# KiCad board SuperBrick4.kicad_pcb (continued)
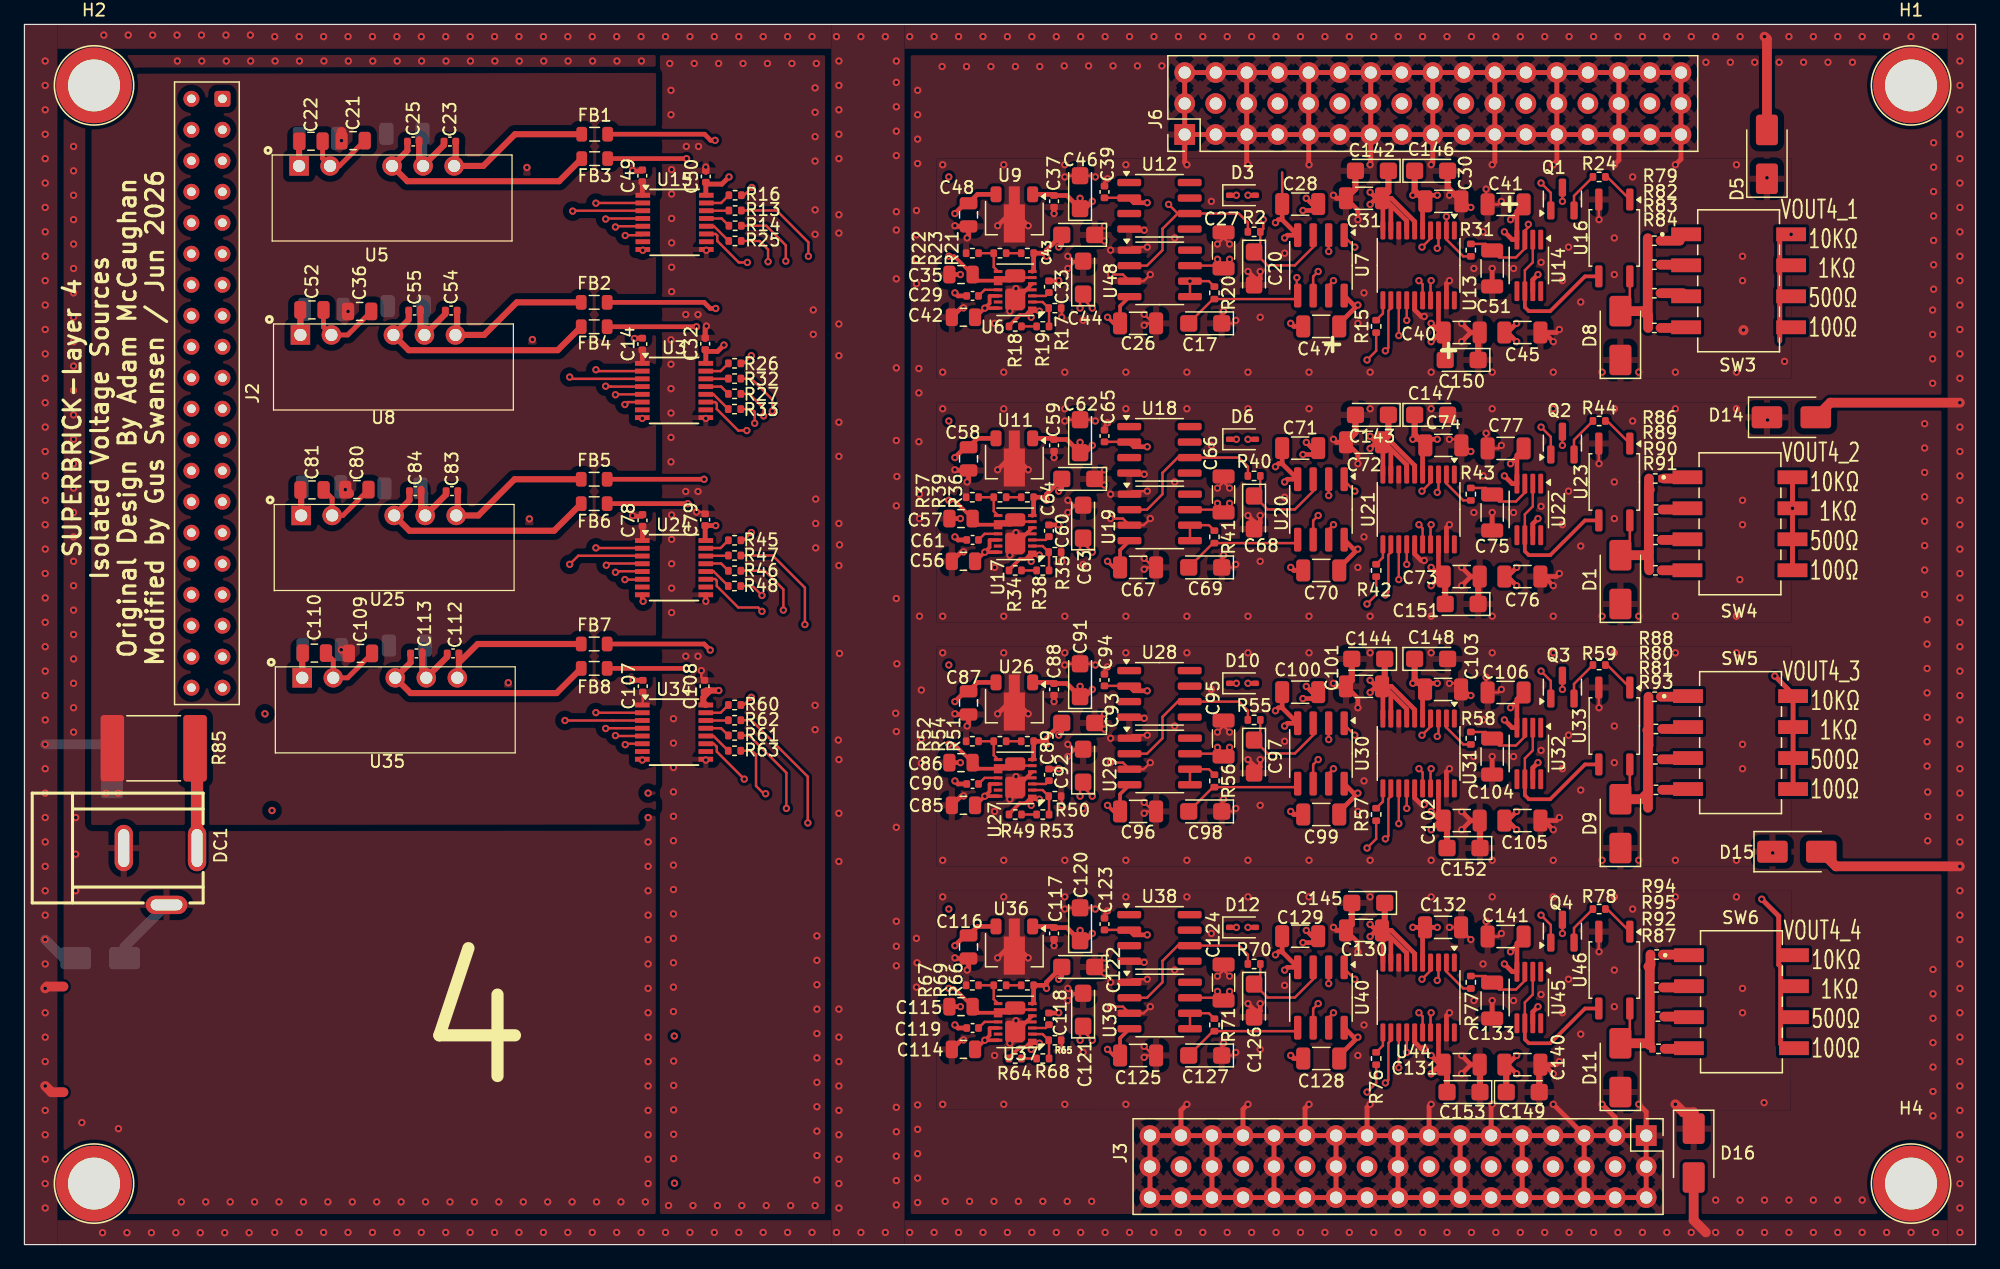
[diagram p0: board, top side]
## Routing (per net, layer and track width the routed paths; a pad name or vN(x,y) marks a point on that pad's centre or on a via; arc(x,y) is an arc through that point) (continued)
SHIELD: length 49
  Top w0.8: v1(1.7,21) 1.85,21.15 3.2,21.15 ; v1(142.5,99) 142.7,98.8 D5.2 ; D16.2 136.7,2 137.7,1 ; D14.2 147.9,69 v1(158.5,69) ; v1(1.7,13) 2.21,12.49 3.2,12.49 ; v1(158.5,31) 148.35,31 D15.2
  Bottom w0.8: v1(1.7,25) 3.22,23.47 D4.1 ; D7.2 6.35,41 v1(1.7,41)
  vias: v1(1.7,97) v1(1.7,95) v1(1.7,93) v1(1.7,91) v1(1.7,89) v1(1.7,87) v1(1.7,85) v1(1.7,83) v1(1.7,81) v1(1.7,79) v1(1.7,77) v1(1.7,75) v1(1.7,73) v1(1.7,71) v1(1.7,69) v1(1.7,67) v1(1.7,65) v1(1.7,63) v1(1.7,61) v1(1.7,59) v1(1.7,57) v1(1.7,55) v1(1.7,53) v1(1.7,51) v1(1.7,49) v1(1.7,47) v1(1.7,45) v1(1.7,43) v1(1.7,39) v1(1.7,37) v1(1.7,35) v1(1.7,33) v1(1.7,31) v1(1.7,29) v1(1.7,27) v1(1.7,23) v1(1.7,19) v1(1.7,17) v1(1.7,15) v1(1.7,11) v1(1.7,9) v1(1.7,7) v1(1.7,5) v1(1.7,3) v1(6.4,0.97) v1(6.5,99.12) v1(8.4,0.97) v1(8.5,99.12) v1(10.4,0.97) v1(10.5,99.12) v1(12.4,0.97) v1(12.5,99.12) v1(14.4,0.97) v1(14.5,99.12) v1(16.4,0.97) v1(16.5,99.12) v1(18.4,0.97) v1(18.5,99.12) v1(20.5,99) v1(20.5,1) v1(22.5,99) v1(22.5,1) v1(24.5,99) v1(24.5,1) v1(26.5,99) v1(26.5,1) v1(28.5,99) v1(28.5,1) v1(30.5,99) v1(30.5,1) v1(32.5,99) v1(32.5,1) v1(34.5,99) v1(34.5,1) v1(36.5,99) v1(36.5,1) v1(38.5,99) v1(38.5,1) v1(40.5,99) v1(40.5,1) v1(42.5,99) v1(42.5,1) v1(44.5,99) v1(44.5,1) v1(46.5,99) v1(46.5,1) v1(48.5,99) v1(48.5,1) v1(50.5,99) v1(50.5,1) v1(52.5,99) v1(52.5,1) v1(54.5,99) v1(54.5,1) v1(56.5,99) v1(56.5,1) v1(58.5,99) v1(58.5,1) v1(60.5,99) v1(60.5,1) v1(62.5,99) v1(62.5,1) v1(64.5,99) v1(64.5,1) v1(66.5,99) v1(66.5,1) v1(66.65,41.35) v1(66.7,97) v1(66.7,95) v1(66.7,93) v1(66.7,91) v1(66.7,89) v1(66.7,84.4) v1(66.7,82.9) v1(66.7,75.45) v1(66.7,72.85) v1(66.7,67.4) v1(66.7,64.6) v1(66.7,59.1) v1(66.75,57.35) v1(66.7,55.65) v1(66.75,48.45) v1(66.7,39.75) v1(66.7,35.35) v1(66.7,31.4) v1(66.7,19.3) v1(66.7,17) v1(66.7,15) v1(66.7,13) v1(66.7,11) v1(66.7,9) v1(66.7,7) v1(66.7,5) v1(66.7,3) v1(68.5,99) v1(68.5,1) v1(70.5,99) v1(70.5,1) v1(71.35,43.55) v1(71.4,97) v1(71.4,95.25) v1(71.4,93.25) v1(71.4,91.25) v1(71.4,89.25) v1(71.4,84.65) v1(71.4,83.15) v1(71.4,79.15) v1(71.4,71.85) v1(71.4,65.9) v1(71.45,62.95) v1(71.4,60.55) v1(71.4,52.95) v1(71.45,47.6) v1(71.4,42.05) v1(71.4,34.2) v1(71.4,26.5) v1(71.4,24.45) v1(71.4,22.85) v1(71.4,11.25) v1(71.4,9.25) v1(71.4,7.25) v1(71.4,5.25) v1(71.4,3.25) v1(72.5,99) v1(72.5,1) v1(74.5,99) v1(74.5,1) v1(76.5,99) v1(76.5,1) v1(78.5,99) v1(78.5,1) v1(80.5,99) v1(80.5,1) v1(82.5,99) v1(82.5,1) v1(84.5,99) v1(84.5,1) v1(86.5,99) v1(86.5,1) v1(88.5,99) v1(88.5,1) v1(90.5,99) v1(90.5,1) v1(92.5,99) v1(92.5,1) v1(94.5,99) v1(94.5,1) v1(96.5,99) v1(96.5,1) v1(98.5,99) v1(98.5,1) v1(100.5,99) v1(100.5,1) v1(102.5,99) v1(102.5,1) v1(104.5,99) v1(104.5,1) v1(106.5,99) v1(106.5,1) v1(108.5,99) v1(108.5,1) v1(110.5,99) v1(110.5,1) v1(112.5,99) v1(112.5,1) v1(114.5,99) v1(114.5,1) v1(116.5,99) v1(116.5,1) v1(118.5,99) v1(118.5,1) v1(120.5,99) v1(120.5,1) v1(122.5,99) v1(122.5,1) v1(124.5,99) v1(124.5,1) v1(126.5,99) v1(126.5,1) v1(128.5,99) v1(128.5,1) v1(130.5,99) v1(130.5,1) v1(132.5,99) v1(132.5,1) v1(134.5,99) v1(134.5,1) v1(136.5,99) v1(136.5,1) v1(138.5,99) v1(138.5,1) v1(140.5,99) v1(140.5,1) v1(142.5,1) v1(144.5,99) v1(144.5,1) v1(146.5,99) v1(146.5,1) v1(148.5,99) v1(148.5,1) v1(150.5,99) v1(150.5,1) v1(152.5,99) v1(152.5,1) v1(154.5,99) v1(154.5,1) v1(156.5,99) v1(156.5,1) v1(158.5,99) v1(158.5,97) v1(158.5,95) v1(158.5,93) v1(158.5,91) v1(158.5,89) v1(158.5,87) v1(158.5,85) v1(158.5,83) v1(158.5,81) v1(158.5,79) v1(158.5,77) v1(158.5,75) v1(158.5,73) v1(158.5,71) v1(158.5,67) v1(158.5,65) v1(158.5,63) v1(158.5,61) v1(158.5,59) v1(158.5,57) v1(158.5,55) v1(158.5,53) v1(158.5,51) v1(158.5,49) v1(158.5,47) v1(158.5,45) v1(158.5,43) v1(158.5,41) v1(158.5,39) v1(158.5,37) v1(158.5,35) v1(158.5,33) v1(158.5,29) v1(158.5,27) v1(158.5,25) v1(158.5,23) v1(158.5,21) v1(158.5,19) v1(158.5,17) v1(158.5,15) v1(158.5,13) v1(158.5,11) v1(158.5,9) v1(158.5,7) v1(158.5,5) v1(158.5,3) v1(158.5,1)
Net-(DC1-Pad1): length 6.5
  Top w1: DC1.1 14.14,39.05
Net-(Q1-E): length 3.4
  Top w0.2: Q1.2 126.9,85.95 R24.2
Net-(Q2-E): length 3.4
  Top w0.2: R44.2 126.9,65.95 Q2.2
Net-(Q3-E): length 3.4
  Top w0.2: Q3.2 126.9,45.95 R59.2
Net-(Q4-E): length 3.4
  Top w0.2: R78.2 126.9,25.95 Q4.2
Net-(R18-Pad1): length 1.2
  Top w0.2: R19.1 R18.1
Net-(R21-Pad1): length 1.2
  Top w0.2: R21.1 R23.1
Net-(R24-Pad1): length 2.8
  Top w0.2: R24.1 129.62,87.5 U16.1
Net-(R34-Pad1): length 1.2
  Top w0.2: R38.1 R34.1
Net-(R36-Pad1): length 1.2
  Top w0.2: R36.1 R39.1
Net-(R44-Pad1): length 2.8
  Top w0.2: U23.1 129.62,67.5 R44.1
Net-(R49-Pad1): length 1.2
  Top w0.2: R53.1 R49.1
Net-(R51-Pad1): length 1.2
  Top w0.2: R51.1 R54.1
Net-(R59-Pad1): length 2.8
  Top w0.2: R59.1 129.62,47.5 U33.1
Net-(R64-Pad1): length 1.2
  Top w0.2: R68.1 R64.1
Net-(R66-Pad1): length 1.2
  Top w0.2: R66.1 R69.1
Net-(R78-Pad1): length 2.8
  Top w0.2: U46.1 129.62,27.5 R78.1
Net-(R79-Pad2): length 1.6
  Top w0.8: R79.2 135.56,82.27
Net-(R80-Pad2): length 2
  Top w0.8: R80.2 136.14,42.26
Net-(R81-Pad2): length 2.1
  Top w0.8: R81.2 136.19,39.77
Net-(R82-Pad2): length 2
  Top w0.8: R82.2 136.03,80.31
Net-(R83-Pad2): length 1.8
  Top w0.8: R83.2 135.83,77.97
Net-(R84-Pad2): length 2
  Top w0.8: R84.2 136.03,75.13
Net-(R86-Pad2): length 1.8
  Top w0.8: 134.24,62.78 136.09,62.78
Net-(R87-Pad2): length 1.9
  Top w0.8: R87.2 136.26,16.05
Net-(R88-Pad2): length 2.2
  Top w0.8: R88.2 136.24,44.9
Net-(R89-Pad2): length 2
  Top w0.8: R89.2 136.09,60.24
Net-(R90-Pad2): length 2.1
  Top w0.8: R90.2 136.14,57.75
Net-(R91-Pad2): length 2.1
  Top w0.8: R91.2 136.19,55.26
Net-(R92-Pad2): length 2
  Top w0.8: R92.2 136.26,18.69
Net-(R93-Pad2): length 2.1
  Top w0.8: R93.2 136.23,37.27
Net-(R94-Pad2): length 2.1
  Top w0.8: R94.2 136.26,23.77
Net-(R95-Pad2): length 2
  Top w0.8: R95.2 136.21,21.07
Net-(U3-OUTA): length 2.1
  Top w0.2: R26.1 57.01,71.59 U3.15
Net-(U3-OUTB): length 1.9
  Top w0.2: U3.14 57.63,70.95 R32.1
Net-(U3-OUTC): length 2.1
  Top w0.2: R27.1 57.05,70.32 U3.13
Net-(U3-OUTD): length 2.3
  Top w0.2: U3.12 56.43,69.68 R33.1
Net-(U5-+VO): length 13.6
  Top w0.5: FB1.1 40.18,91 37.58,88.4 U5.6 35.32,88.53 C23.1
Net-(U5--VO): length 19.3
  Top w0.5: C25.2 31.36,89.65 U5.4 31.36,87.15 43.79,87.15 FB3.1
Net-(U5-VIN): length 4.3
  Top w0.5: U5.1 22.49,90.45
  Bottom w0.5: L1.2 22.49,90.65 U5.1
Net-(U6A-ADJP): length 3.1
  Top w0.2: R19.2 83.91,76.72 R17.1 83.38,77.25 U6.2
Net-(U6A-BYPP): length 1.5
  Top w0.2: U6.3 83.63,77.75 C33.1
Net-(U6B-ADJN): length 2.9
  Top w0.2: U6.8 79.38,80.11 R23.2 R22.1
Net-(U6B-BYPN): length 1.8
  Top w0.2: C29.1 78.63,78.25 U6.11
Net-(U8-+VO): length 13.5
  Top w0.5: C54.1 35.43,74.68 U8.6 37.65,74.55 40.32,77.22 FB2.1
Net-(U8--VO): length 19.2
  Top w0.5: FB4.1 43.67,73.3 31.47,73.3 U8.4 31.47,75.8 C55.2
Net-(U8-VIN): length 4.7
  Top w0.2: 22.6,76.6 C52.1
  Top w0.5: U8.1 22.6,76.6
  Bottom w0.5: U8.1 22.6,76.31 L2.2
  Bottom w0.8: L2.2 22.64,76.65 C52.1
Net-(U13-SDO): length 1.9
  Top w0.2: U13.11 111.25,76.31 R15.2
Net-(U13-V_{REFNF}): length 10.3
  Top w0.2: U13.16 114.5,78.7 v1(114.2,79) ; v1(107.2,79) 106.81,78.61 U7.7
  In2.Cu w0.2: v1(107.2,79) 107.45,78.75 113.95,78.75 v1(114.2,79)
Net-(U13-V_{REFNS}): length 13.5
  Top w0.2: U13.17 115.15,78.95 v1(115.2,79) ; U7.6 105.54,79.34 v1(105.95,79.75)
  In2.Cu w0.2: v1(105.95,79.75) 114.7,79.75 115.2,79.25 v1(115.2,79)
Net-(U13-V_{REFPF}): length 8.7
  Top w0.2: v1(108.95,81.75) 108.08,82.62 U7.1 ; v1(114.45,81.75) 115.15,82.45 U13.4
  In2.Cu w0.2: v1(108.95,81.75) 109.2,81.5 114.2,81.5 v1(114.45,81.75)
Net-(U13-V_{REFPS}): length 13
  Top w0.2: v1(115.7,81.65) 115.8,81.75 U13.3 ; U7.2 v1(106.81,81.39)
  In2.Cu w0.2: v1(115.7,81.65) 115.7,80.75 115.6,80.65 107.55,80.65 v1(106.81,81.39)
Net-(U15-OUTA): length 2.1
  Top w0.2: R16.1 57.05,85.36 U15.15
Net-(U15-OUTB): length 1.9
  Top w0.2: U15.14 57.67,84.73 R13.1
Net-(U15-OUTC): length 2.1
  Top w0.2: U15.13 57.09,84.09 R14.1
Net-(U15-OUTD): length 2.3
  Top w0.2: R25.1 56.47,83.46 U15.12
Net-(U17A-ADJP): length 3.1
  Top w0.2: R38.2 83.91,56.72 R35.1 83.38,57.25 U17.2
Net-(U17A-BYPP): length 1.5
  Top w0.2: U17.3 83.63,57.75 C60.1
Net-(U17B-ADJN): length 2.9
  Top w0.2: U17.8 79.38,60.11 R39.2 R37.1
Net-(U17B-BYPN): length 1.8
  Top w0.2: U17.11 78.63,58.25 C61.1
Net-(U20A--): length 13
  Top w0.2: v1(115.7,61.65) 115.8,61.75 U21.3 ; U20.2 v1(106.81,61.39)
  In2.Cu w0.2: v1(106.81,61.39) 107.55,60.65 115.6,60.65 115.7,60.75 v1(115.7,61.65)
Net-(U20B--): length 13.5
  Top w0.2: U20.6 105.54,59.34 v1(105.95,59.75) ; U21.17 115.15,58.95 v1(115.2,59)
  In2.Cu w0.2: v1(105.95,59.75) 114.7,59.75 115.2,59.25 v1(115.2,59)
Net-(U21-SDO): length 1.9
  Top w0.2: R42.2 111.25,56.31 U21.11
Net-(U21-V_{REFNF}): length 10.3
  Top w0.2: U20.7 106.81,58.61 v1(107.2,59) ; v1(114.2,59) 114.5,58.7 U21.16
  In2.Cu w0.2: v1(107.2,59) 107.45,58.75 113.95,58.75 v1(114.2,59)
Net-(U21-V_{REFPF}): length 8.7
  Top w0.2: v1(108.95,61.75) 108.08,62.62 U20.1 ; U21.4 115.15,62.45 v1(114.45,61.75)
  In2.Cu w0.2: v1(114.45,61.75) 114.2,61.5 109.2,61.5 v1(108.95,61.75)
Net-(U24-OUTA): length 2.1
  Top w0.2: R45.1 57.01,57.09 55.8,57.09
Net-(U24-OUTB): length 1.9
  Top w0.2: R47.1 57.63,56.45 55.8,56.45
Net-(U24-OUTC): length 2.1
  Top w0.2: R46.1 57.05,55.82 55.8,55.82
Net-(U24-OUTD): length 2.3
  Top w0.2: 55.8,55.18 56.43,55.18 R48.1
Net-(U25-+VO): length 13.5
  Top w0.5: C83.1 35.49,59.89 U25.6 37.17,59.75 40.14,62.72 FB5.1
Net-(U25--VO): length 19.3
  Top w0.5: C84.2 31.53,61.01 U25.4 31.53,58.5 43.38,58.5 FB6.1
Net-(U25-VIN): length 5.2
  Top w0.5: U25.1 22.66,61.8
  Bottom w0.5: L3.2 22.66,62.01 U25.1
  Bottom w0.8: 22.75,62.52 22.75,62 C81.1
Net-(U27A-ADJP): length 3.1
  Top w0.2: R53.2 83.91,36.72 R50.1 83.38,37.25 U27.2
Net-(U27A-BYPP): length 1.5
  Top w0.2: U27.3 83.63,37.75 C89.1
Net-(U27B-ADJN): length 2.9
  Top w0.2: U27.8 79.38,40.11 R54.2 R52.1
Net-(U27B-BYPN): length 1.8
  Top w0.2: U27.11 78.63,38.25 C90.1
Net-(U30A--): length 13
  Top w0.2: U30.2 v1(106.81,41.39) ; v1(115.7,41.65) 115.8,41.75 U31.3
  In2.Cu w0.2: v1(106.81,41.39) 107.55,40.65 115.6,40.65 115.7,40.75 v1(115.7,41.65)
Net-(U30B--): length 13.5
  Top w0.2: v1(105.95,39.75) 105.54,39.34 U30.6 ; U31.17 115.15,38.95 v1(115.2,39)
  In2.Cu w0.2: v1(105.95,39.75) 114.7,39.75 115.2,39.25 v1(115.2,39)
Net-(U31-SDO): length 1.9
  Top w0.2: R57.2 111.25,36.31 U31.11
Net-(U31-V_{REFNF}): length 10.3
  Top w0.2: v1(107.2,39) 106.81,38.61 U30.7 ; U31.16 114.5,38.7 v1(114.2,39)
  In2.Cu w0.2: v1(107.2,39) 107.45,38.75 113.95,38.75 v1(114.2,39)
Net-(U31-V_{REFPF}): length 8.7
  Top w0.2: U31.4 115.15,42.45 v1(114.45,41.75) ; U30.1 108.08,42.62 v1(108.95,41.75)
  In2.Cu w0.2: v1(108.95,41.75) 109.2,41.5 114.2,41.5 v1(114.45,41.75)
Net-(U34-OUTA): length 2.1
  Top w0.2: R60.1 57.01,43.59 U34.15
Net-(U34-OUTB): length 1.9
  Top w0.2: R62.1 57.63,42.95 U34.14
Net-(U34-OUTC): length 2.1
  Top w0.2: U34.13 57.05,42.32 R61.1
Net-(U34-OUTD): length 2.3
  Top w0.2: U34.12 56.43,41.68 R63.1
Net-(U35-+VO): length 12.7
  Top w0.5: 35.58,47.69 37.12,49.22 FB7.1 ; U35.6 35.58,46.58 C112.1
Net-(U35--VO): length 19.1
  Top w0.5: C113.2 31.62,47.7 U35.4 31.62,45.2 43.57,45.2 FB8.1
Net-(U35-VIN): length 4.4
  Top w0.5: U35.1 22.75,48.5
  Bottom w0.5: U35.1 22.75,48.71 L4.2
Net-(U37A-ADJP): length 3.1
  Top w0.2: U37.2 83.38,17.25 R65.1 83.91,16.72 R68.2
Net-(U37A-BYPP): length 1.5
  Top w0.2: U37.3 83.63,17.75 C118.1
Net-(U37B-ADJN): length 2.9
  Top w0.2: R67.1 R69.2 79.38,20.11 U37.8
Net-(U37B-BYPN): length 1.8
  Top w0.2: C119.1 78.63,18.25 U37.11
Net-(U40A--): length 13
  Top w0.2: U44.3 115.8,21.75 v1(115.7,21.65) ; U40.2 v1(106.81,21.39)
  In2.Cu w0.2: v1(115.7,21.65) 115.7,20.75 115.6,20.65 107.55,20.65 v1(106.81,21.39)
Net-(U40B--): length 13.5
  Top w0.2: v1(105.95,19.75) 105.54,19.34 U40.6 ; U44.17 115.15,18.95 v1(115.2,19)
  In2.Cu w0.2: v1(115.2,19) 115.2,19.25 114.7,19.75 v1(105.95,19.75)
Net-(U44-SDO): length 1.9
  Top w0.2: R76.2 111.25,16.31 U44.11
Net-(U44-V_{REFNF}): length 10.3
  Top w0.2: v1(114.2,19) 114.5,18.7 U44.16 ; U40.7 106.81,18.61 v1(107.2,19)
  In2.Cu w0.2: v1(114.2,19) 113.95,18.75 107.45,18.75 v1(107.2,19)
Net-(U44-V_{REFPF}): length 8.7
  Top w0.2: U44.4 115.15,22.45 v1(114.45,21.75) ; U40.1 108.08,22.62 v1(108.95,21.75)
  In2.Cu w0.2: v1(108.95,21.75) 109.2,21.5 114.2,21.5 v1(114.45,21.75)

## Copper pours and planes (outline as drawn; the poured copper is in the pictures)
+5V on Top: 51.72,34.42 5.47,34.39 5.49,95.95 51.72,96.03
+5V on In2.Cu: 11.95,8.4 12.1,40.7 3.95,40.7 4,8.4
/Isolated DAC1/AD5781-1/VCC_ISO on Bottom: 74.7,89 127.7,89 127.7,85 74.7,85
/Isolated DAC1/AD5781-1/VDD_ISO on In4.Cu: 80.7,87 130.7,87 130.7,71 80.7,71
/Isolated DAC1/AD5781-1/VSS_ISO on Bottom: 74.7,89 130.7,89 130.7,71 74.7,71
/Isolated DAC1/Power isolation/+15V_ISO on In4.Cu: 79.7,87 79.7,72.5 74.7,72.5 74.7,87
/Isolated DAC2/AD5781-1/VCC_ISO on Bottom: 74.7,69 127.7,69 127.7,65 74.7,65
/Isolated DAC2/AD5781-1/VDD_ISO on In4.Cu: 80.7,67 130.7,67 130.7,51 80.7,51
/Isolated DAC2/AD5781-1/VSS_ISO on Bottom: 74.7,69 130.7,69 130.7,51 74.7,51
/Isolated DAC2/Power isolation/+15V_ISO on In4.Cu: 79.7,67 79.7,52.5 74.7,52.5 74.7,67
/Isolated DAC3/AD5781-1/VCC_ISO on Bottom: 74.7,49 127.7,49 127.7,45 74.7,45
/Isolated DAC3/AD5781-1/VDD_ISO on In4.Cu: 80.7,47 130.7,47 130.7,31 80.7,31
/Isolated DAC3/AD5781-1/VSS_ISO on Bottom: 74.7,49 130.7,49 130.7,31 74.7,31
/Isolated DAC3/Power isolation/+15V_ISO on In4.Cu: 79.7,47 79.7,32.5 74.7,32.5 74.7,47
/Isolated DAC4/AD5781-1/VCC_ISO on Bottom: 74.7,29 127.7,29 127.7,25 74.7,25
/Isolated DAC4/AD5781-1/VDD_ISO on In4.Cu: 80.7,27 130.7,27 130.7,11 80.7,11
/Isolated DAC4/AD5781-1/VSS_ISO on Bottom: 74.7,29 130.7,29 130.7,11 74.7,11
/Isolated DAC4/Power isolation/+15V_ISO on In4.Cu: 79.7,27 79.7,12.5 74.7,12.5 74.7,27
GND on Top, Bottom, In1.Cu, In3.Cu, In4.Cu: 3.2,97.5 51.7,97.5 51.7,2.5 3.2,2.5
MD_GND_ISO on Top, Bottom, In1.Cu, In2.Cu, In3.Cu, In4.Cu: 52.04,97.48 148.26,97.48 157.16,97.43 157.16,2.38 52.04,2.38
MD_GND_ISO on Top, In1.Cu, In2.Cu, In3.Cu: 74.7,49 144.7,49 144.7,31 74.7,31
MD_GND_ISO on Top, In1.Cu, In2.Cu, In3.Cu: 74.7,69 144.7,69 144.7,51 74.7,51
MD_GND_ISO on Top, In1.Cu, In2.Cu, In3.Cu: 74.7,29.05 144.7,29.05 144.65,11.02 74.7,11.05
MD_GND_ISO on Top, In1.Cu, In2.Cu, In3.Cu: 74.7,89 144.7,89 144.7,71 74.7,71
MD_GND_ISO on In1.Cu, In2.Cu, In3.Cu, In4.Cu: 53.7,66 47.32,72.38 28.46,72.38 28.47,72.99 28.47,77.97 28.5,78 53.7,78
MD_GND_ISO on In1.Cu, In2.Cu, In3.Cu, In4.Cu: 53.7,64 57.7,64 74.7,49 74.7,31 58.2,52 53.7,52
MD_GND_ISO on In1.Cu, In2.Cu, In3.Cu, In4.Cu: 53.7,78 58.7,77.5 74.7,69 74.7,51 58.7,66 53.7,66
MD_GND_ISO on In1.Cu, In2.Cu, In3.Cu, In4.Cu: 53.7,38 46.71,44.99 29.17,44.99 28.88,45 28.88,49.98 30.67,50 53.7,50
MD_GND_ISO on In1.Cu, In2.Cu, In3.Cu, In4.Cu: 53.7,80 47.75,85.95 28.42,85.95 28.42,91.99 28.98,91.99 53.7,92
MD_GND_ISO on In1.Cu, In2.Cu, In3.Cu, In4.Cu: 53.7,52 47.59,58.11 28.77,58.11 28.77,63.95 53.7,64
MD_GND_ISO on In1.Cu, In2.Cu, In3.Cu, In4.Cu: 53.7,50 59.2,49.5 74.7,29 74.7,11.05 72.65,11.05 56.96,38 53.7,38
MD_GND_ISO on In1.Cu, In2.Cu, In3.Cu, In4.Cu: 53.7,92 74.7,89 74.7,71 59.2,79.5 53.7,80
SHIELD on Top, Bottom: 157.5,104 162.85,104 162.85,-4 157.5,-4
SHIELD on Top, Bottom: 162.85,2 162.85,-4 -3.3,-3.98 -3.3,2
SHIELD on Top, Bottom: 2.7,-3.98 -3.3,-3.98 -3.3,104 2.7,104
SHIELD on Top, Bottom: 72.07,-4 66.07,-4 66.07,104 72.07,104
SHIELD on Top, Bottom: -3.3,98 -3.3,104 162.85,104 162.85,98

## Text on the board
User.Comments: MCU area layers: / F - Signal / In1 - GND / In2 - Power + routing / In3 - GND / In4 - Routing / B - GND | Power isolation area layers: / F - +VUSB (VIN) / In1 - GND / In2 - Isolated power / In3 - Isolated GND / B - GND | Todo: / - | DAC area layers: / F - Signal / In1 - Isolated GND / In2 - Isolated GND / In3 - Isolated GND / In4 - +15V_ISO + VDD / B - -VSS + VCC
F.Silkscreen: VOUT4_1 / 10KΩ / 1KΩ / 500Ω / 100Ω | VOUT4_2 / 10KΩ / 1KΩ / 500Ω / 100Ω | VOUT4_3 / 10KΩ / 1KΩ / 500Ω / 100Ω | VOUT4_4 / 10KΩ / 1KΩ / 500Ω / 100Ω | SUPERBRICK-Layer 4 / Isolated Voltage Sources / Original Design By Adam McCaughan / Modified by Gus Swansen / Jun 2026 | + | 4
